# Altium PCB CFD_V1.03.PcbDoc (part 1 of 10) (continued)
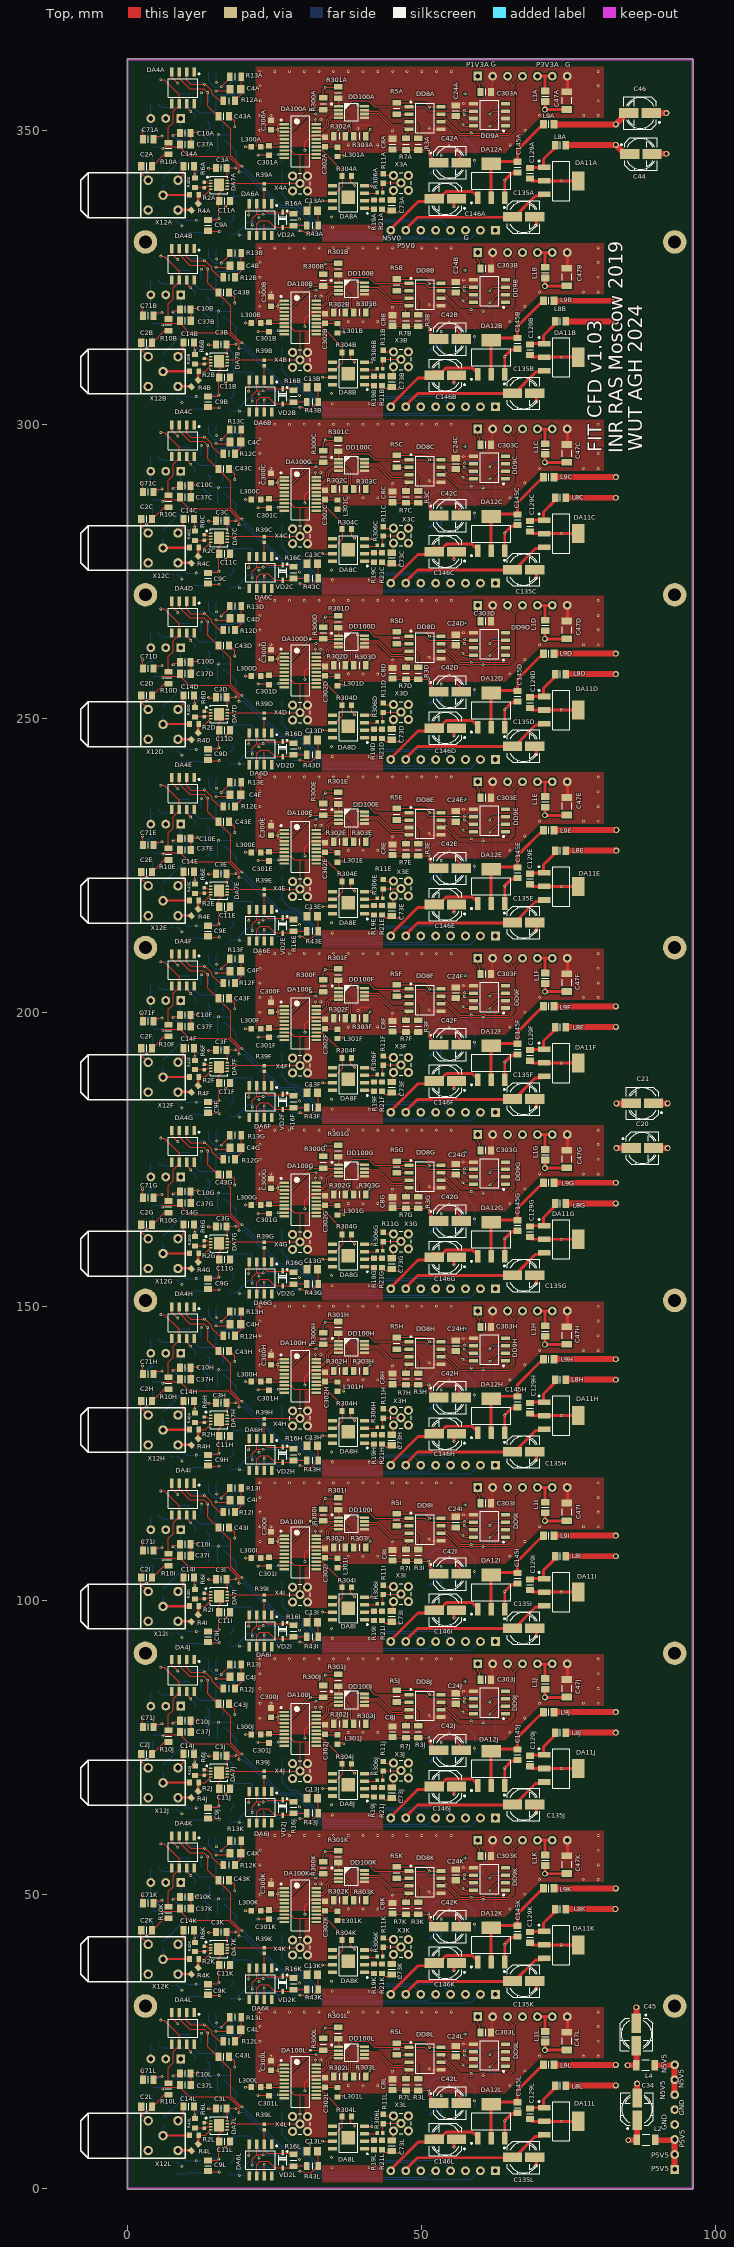
[diagram p0: Top view]
## Design rules (kind name [scope] priority, off if disabled: settings) (continued)
SolderMaskExpansion [All] p1: expansion=0.05 istentingtop=FALSE
SupplyNets "Schematic Supply Nets_4" [InNet('N5V5_PM12')] p1: voltage=0.000
SupplyNets "Schematic Supply Nets_3" [InNet('GND')] p2: voltage=0.000
SupplyNets "Schematic Supply Nets_2" [InNet('N5V5')] p3: voltage=0.000
SupplyNets "Schematic Supply Nets_1" [InNet('P5V5_PM12')] p4: voltage=0.000
SupplyNets "Schematic Supply Nets" [InNet('P5V5')] p5: voltage=0.000
Width [All] p1: maxlimit=12.7 minlimit=0.025 preferedwidth=0.254 minimp=50.000000 maximp=50.000000 favimp=50.000000
25 further rules are at their usual default settings.

## Classes and differential pairs
channel class CFD_Timing: CFD_T1 CFD_T2 CFD_T3 CFD_T4 CFD_T5 CFD_T6 CFD_T7 CFD_T8 CFD_T9 CFD_T10 CFD_T11 CFD_T12
component class CFD_T12: C8L C16L C17L C24L C26L C30L C38L C47L C73L C300L C301L C302L C303L C400L C401L C402L C403L DA8L DA100L DD8L DD9L DD100L L1L L300L L301L R3L R5L R7L R11L R18L R19L R21L R44L R300L R301L R302L R303L R304L R306L R400L R401L R403L X3L X4L X13L
component class CFD_T11: C8K C16K C17K C24K C26K C30K C38K C47K C73K C300K C301K C302K C303K C400K C401K C402K C403K DA8K DA100K DD8K DD9K DD100K L1K L300K L301K R3K R5K R7K R11K R18K R19K R21K R44K R300K R301K R302K R303K R304K R306K R400K R401K R403K X3K X4K X13K
component class CFD_T10: C8J C16J C17J C24J C26J C30J C38J C47J C73J C300J C301J C302J C303J C400J C401J C402J C403J DA8J DA100J DD8J DD9J DD100J L1J L300J L301J R3J R5J R7J R11J R18J R19J R21J R44J R300J R301J R302J R303J R304J R306J R400J R401J R403J X3J X4J X13J
component class CFD_T9: C8I C16I C17I C24I C26I C30I C38I C47I C73I C300I C301I C302I C303I C400I C401I C402I C403I DA8I DA100I DD8I DD9I DD100I L1I L300I L301I R3I R5I R7I R11I R18I R19I R21I R44I R300I R301I R302I R303I R304I R306I R400I R401I R403I X3I X4I X13I
component class CFD_T8: C8H C16H C17H C24H C26H C30H C38H C47H C73H C300H C301H C302H C303H C400H C401H C402H C403H DA8H DA100H DD8H DD9H DD100H L1H L300H L301H R3H R5H R7H R11H R18H R19H R21H R44H R300H R301H R302H R303H R304H R306H R400H R401H R403H X3H X4H X13H
component class CFD_T7: C8G C16G C17G C24G C26G C30G C38G C47G C73G C300G C301G C302G C303G C400G C401G C402G C403G DA8G DA100G DD8G DD9G DD100G L1G L300G L301G R3G R5G R7G R11G R18G R19G R21G R44G R300G R301G R302G R303G R304G R306G R400G R401G R403G X3G X4G X13G
component class CFD_T6: C8F C16F C17F C24F C26F C30F C38F C47F C73F C300F C301F C302F C303F C400F C401F C402F C403F DA8F DA100F DD8F DD9F DD100F L1F L300F L301F R3F R5F R7F R11F R18F R19F R21F R44F R300F R301F R302F R303F R304F R306F R400F R401F R403F X3F X4F X13F
component class CFD_T5: C8E C16E C17E C24E C26E C30E C38E C47E C73E C300E C301E C302E C303E C400E C401E C402E C403E DA8E DA100E DD8E DD9E DD100E L1E L300E L301E R3E R5E R7E R11E R18E R19E R21E R44E R300E R301E R302E R303E R304E R306E R400E R401E R403E X3E X4E X13E
component class CFD_T4: C8D C16D C17D C24D C26D C30D C38D C47D C73D C300D C301D C302D C303D C400D C401D C402D C403D DA8D DA100D DD8D DD9D DD100D L1D L300D L301D R3D R5D R7D R11D R18D R19D R21D R44D R300D R301D R302D R303D R304D R306D R400D R401D R403D X3D X4D X13D
component class CFD_T3: C8C C16C C17C C24C C26C C30C C38C C47C C73C C300C C301C C302C C303C C400C C401C C402C C403C DA8C DA100C DD8C DD9C DD100C L1C L300C L301C R3C R5C R7C R11C R18C R19C R21C R44C R300C R301C R302C R303C R304C R306C R400C R401C R403C X3C X4C X13C
component class CFD_T2: C8B C16B C17B C24B C26B C30B C38B C47B C73B C300B C301B C302B C303B C400B C401B C402B C403B DA8B DA100B DD8B DD9B DD100B L1B L300B L301B R3B R5B R7B R11B R18B R19B R21B R44B R300B R301B R302B R303B R304B R306B R400B R401B R403B X3B X4B X13B
component class CFD_T1: C8A C16A C17A C24A C26A C30A C38A C47A C73A C300A C301A C302A C303A C400A C401A C402A C403A DA8A DA100A DD8A DD9A DD100A L1A L300A L301A R3A R5A R7A R11A R18A R19A R21A R44A R300A R301A R302A R303A R304A R306A R400A R401A R403A X3A X4A X13A
channel class IN_BUF: IN_BUFFER1 IN_BUFFER2 IN_BUFFER3 IN_BUFFER4 IN_BUFFER5 IN_BUFFER6 IN_BUFFER7 IN_BUFFER8 IN_BUFFER9 IN_BUFFER10 IN_BUFFER11 IN_BUFFER12
channel class DIFF_DRV: DIFF_DRV1 DIFF_DRV2 DIFF_DRV3 DIFF_DRV4 DIFF_DRV5 DIFF_DRV6 DIFF_DRV7 DIFF_DRV8 DIFF_DRV9 DIFF_DRV10 DIFF_DRV11 DIFF_DRV12
component class IN_BUFFER12: C3L C11L C12L C13L C14L C15L DA6L DA7L DA20L R2L R4L R6L R14L R16L R39L R40L R41L R42L R43L VD2L X12L
component class IN_BUFFER11: C3K C11K C12K C13K C14K C15K DA6K DA7K DA20K R2K R4K R6K R14K R16K R39K R40K R41K R42K R43K VD2K X12K
component class IN_BUFFER10: C3J C11J C12J C13J C14J C15J DA6J DA7J DA20J R2J R4J R6J R14J R16J R39J R40J R41J R42J R43J VD2J X12J
component class IN_BUFFER9: C3I C11I C12I C13I C14I C15I DA6I DA7I DA20I R2I R4I R6I R14I R16I R39I R40I R41I R42I R43I VD2I X12I
component class IN_BUFFER8: C3H C11H C12H C13H C14H C15H DA6H DA7H DA20H R2H R4H R6H R14H R16H R39H R40H R41H R42H R43H VD2H X12H
component class IN_BUFFER7: C3G C11G C12G C13G C14G C15G DA6G DA7G DA20G R2G R4G R6G R14G R16G R39G R40G R41G R42G R43G VD2G X12G
component class IN_BUFFER6: C3F C11F C12F C13F C14F C15F DA6F DA7F DA20F R2F R4F R6F R14F R16F R39F R40F R41F R42F R43F VD2F X12F
component class IN_BUFFER5: C3E C11E C12E C13E C14E C15E DA6E DA7E DA20E R2E R4E R6E R14E R16E R39E R40E R41E R42E R43E VD2E X12E
component class IN_BUFFER4: C3D C11D C12D C13D C14D C15D DA6D DA7D DA20D R2D R4D R6D R14D R16D R39D R40D R41D R42D R43D VD2D X12D
component class IN_BUFFER3: C3C C11C C12C C13C C14C C15C DA6C DA7C DA20C R2C R4C R6C R14C R16C R39C R40C R41C R42C R43C VD2C X12C
component class IN_BUFFER2: C3B C11B C12B C13B C14B C15B DA6B DA7B DA20B R2B R4B R6B R14B R16B R39B R40B R41B R42B R43B VD2B X12B
component class IN_BUFFER1: C3A C11A C12A C13A C14A C15A DA6A DA7A DA20A R2A R4A R6A R14A R16A R39A R40A R41A R42A R43A VD2A X12A
component class DIFF_DRV12: C2L C4L C5L C10L C37L C43L C71L DA2L DA4L DA5L R8L R9L R10L R12L R13L R15L R17L R45L R48L R50L VD1L X1L X5L
component class DIFF_DRV11: C2K C4K C5K C10K C37K C43K C71K DA2K DA4K DA5K R8K R9K R10K R12K R13K R15K R17K R45K R48K R50K VD1K X1K X5K
component class DIFF_DRV10: C2J C4J C5J C10J C37J C43J C71J DA2J DA4J DA5J R8J R9J R10J R12J R13J R15J R17J R45J R48J R50J VD1J X1J X5J
component class DIFF_DRV9: C2I C4I C5I C10I C37I C43I C71I DA2I DA4I DA5I R8I R9I R10I R12I R13I R15I R17I R45I R48I R50I VD1I X1I X5I
component class DIFF_DRV8: C2H C4H C5H C10H C37H C43H C71H DA2H DA4H DA5H R8H R9H R10H R12H R13H R15H R17H R45H R48H R50H VD1H X1H X5H
component class DIFF_DRV7: C2G C4G C5G C10G C37G C43G C71G DA2G DA4G DA5G R8G R9G R10G R12G R13G R15G R17G R45G R48G R50G VD1G X1G X5G
component class DIFF_DRV6: C2F C4F C5F C10F C37F C43F C71F DA2F DA4F DA5F R8F R9F R10F R12F R13F R15F R17F R45F R48F R50F VD1F X1F X5F
component class DIFF_DRV5: C2E C4E C5E C10E C37E C43E C71E DA2E DA4E DA5E R8E R9E R10E R12E R13E R15E R17E R45E R48E R50E VD1E X1E X5E
component class DIFF_DRV4: C2D C4D C5D C10D C37D C43D C71D DA2D DA4D DA5D R8D R9D R10D R12D R13D R15D R17D R45D R48D R50D VD1D X1D X5D
component class DIFF_DRV3: C2C C4C C5C C10C C37C C43C C71C DA2C DA4C DA5C R8C R9C R10C R12C R13C R15C R17C R45C R48C R50C VD1C X1C X5C
component class DIFF_DRV2: C2B C4B C5B C10B C37B C43B C71B DA2B DA4B DA5B R8B R9B R10B R12B R13B R15B R17B R45B R48B R50B VD1B X1B X5B
component class DIFF_DRV1: C2A C4A C5A C10A C37A C43A C71A DA2A DA4A DA5A R8A R9A R10A R12A R13A R15A R17A R45A R48A R50A VD1A X1A X5A
channel class Power: PWR1 PWR2 PWR3 PWR4 PWR5 PWR6 PWR7 PWR8 PWR9 PWR10 PWR11 PWR12
component class CFD_V1.03_Main: C20 C21 C34 C44 C45 C46 L2 L4 X2
component class PWR12: C1L C6L C7L C9L C22L C29L C41L C42L C129L C135L C145L C146L DA1L DA3L DA11L DA12L DA13L L8L L9L R1L R25L R28L R29L
component class PWR11: C1K C6K C7K C9K C22K C29K C41K C42K C129K C135K C145K C146K DA1K DA3K DA11K DA12K DA13K L8K L9K R1K R25K R28K R29K
component class PWR10: C1J C6J C7J C9J C22J C29J C41J C42J C129J C135J C145J C146J DA1J DA3J DA11J DA12J DA13J L8J L9J R1J R25J R28J R29J
component class PWR9: C1I C6I C7I C9I C22I C29I C41I C42I C129I C135I C145I C146I DA1I DA3I DA11I DA12I DA13I L8I L9I R1I R25I R28I R29I
component class PWR8: C1H C6H C7H C9H C22H C29H C41H C42H C129H C135H C145H C146H DA1H DA3H DA11H DA12H DA13H L8H L9H R1H R25H R28H R29H
component class PWR7: C1G C6G C7G C9G C22G C29G C41G C42G C129G C135G C145G C146G DA1G DA3G DA11G DA12G DA13G L8G L9G R1G R25G R28G R29G
component class PWR6: C1F C6F C7F C9F C22F C29F C41F C42F C129F C135F C145F C146F DA1F DA3F DA11F DA12F DA13F L8F L9F R1F R25F R28F R29F
component class PWR5: C1E C6E C7E C9E C22E C29E C41E C42E C129E C135E C145E C146E DA1E DA3E DA11E DA12E DA13E L8E L9E R1E R25E R28E R29E
component class PWR4: C1D C6D C7D C9D C22D C29D C41D C42D C129D C135D C145D C146D DA1D DA3D DA11D DA12D DA13D L8D L9D R1D R25D R28D R29D
component class PWR3: C1C C6C C7C C9C C22C C29C C41C C42C C129C C135C C145C C146C DA1C DA3C DA11C DA12C DA13C L8C L9C R1C R25C R28C R29C
component class PWR2: C1B C6B C7B C9B C22B C29B C41B C42B C129B C135B C145B C146B DA1B DA3B DA11B DA12B DA13B L8B L9B R1B R25B R28B R29B
component class PWR1: C1A C6A C7A C9A C22A C29A C41A C42A C129A C135A C145A C146A DA1A DA3A DA11A DA12A DA13A L8A L9A R1A R25A R28A R29A
differential pair CFD_OUTL: +CFD_OUTL_P -CFD_OUTL_N
differential pair CFD_OUTK: +CFD_OUTK_P -CFD_OUTK_N
differential pair CFD_OUTJ: +CFD_OUTJ_P -CFD_OUTJ_N
differential pair CFD_OUTI: +CFD_OUTI_P -CFD_OUTI_N
differential pair CFD_OUTH: +CFD_OUTH_P -CFD_OUTH_N
differential pair CFD_OUTG: +CFD_OUTG_P -CFD_OUTG_N
differential pair CFD_OUTF: +CFD_OUTF_P -CFD_OUTF_N
differential pair CFD_OUTE: +CFD_OUTE_P -CFD_OUTE_N
differential pair CFD_OUTD: +CFD_OUTD_P -CFD_OUTD_N
differential pair CFD_OUTC: +CFD_OUTC_P -CFD_OUTC_N
differential pair CFD_OUTB: +CFD_OUTB_P -CFD_OUTB_N
differential pair CFD_OUTA: +CFD_OUTA_P -CFD_OUTA_N
differential pair CFD_RISINGL: +CFD_RISINGL_P -CFD_RISINGL_N
differential pair CFD_RISINGK: +CFD_RISINGK_P -CFD_RISINGK_N
differential pair CFD_RISINGJ: +CFD_RISINGJ_P -CFD_RISINGJ_N
differential pair CFD_RISINGI: +CFD_RISINGI_P -CFD_RISINGI_N
differential pair CFD_RISINGH: +CFD_RISINGH_P -CFD_RISINGH_N
differential pair CFD_RISINGG: +CFD_RISINGG_P -CFD_RISINGG_N
differential pair CFD_RISINGF: +CFD_RISINGF_P -CFD_RISINGF_N
differential pair CFD_RISINGE: +CFD_RISINGE_P -CFD_RISINGE_N
differential pair CFD_RISINGD: +CFD_RISINGD_P -CFD_RISINGD_N
differential pair CFD_RISINGC: +CFD_RISINGC_P -CFD_RISINGC_N
differential pair CFD_RISINGB: +CFD_RISINGB_P -CFD_RISINGB_N
differential pair CFD_RISINGA: +CFD_RISINGA_P -CFD_RISINGA_N
differential pair CFD_DELL: +CFD_DELL_P -CFD_DELL_N
differential pair CFD_DELK: +CFD_DELK_P -CFD_DELK_N
differential pair CFD_DELJ: +CFD_DELJ_P -CFD_DELJ_N
differential pair CFD_DELI: +CFD_DELI_P -CFD_DELI_N
differential pair CFD_DELH: +CFD_DELH_P -CFD_DELH_N
differential pair CFD_DELG: +CFD_DELG_P -CFD_DELG_N
differential pair CFD_DELF: +CFD_DELF_P -CFD_DELF_N
differential pair CFD_DELE: +CFD_DELE_P -CFD_DELE_N
differential pair CFD_DELD: +CFD_DELD_P -CFD_DELD_N
differential pair CFD_DELC: +CFD_DELC_P -CFD_DELC_N
differential pair CFD_DELB: +CFD_DELB_P -CFD_DELB_N
differential pair CFD_DELA: +CFD_DELA_P -CFD_DELA_N
differential pair DD100_QL: +DD100_QL_P -DD100_QL_N
differential pair DD100_QK: +DD100_QK_P -DD100_QK_N
differential pair DD100_QJ: +DD100_QJ_P -DD100_QJ_N
differential pair DD100_QI: +DD100_QI_P -DD100_QI_N
differential pair DD100_QH: +DD100_QH_P -DD100_QH_N
differential pair DD100_QG: +DD100_QG_P -DD100_QG_N
differential pair DD100_QF: +DD100_QF_P -DD100_QF_N
differential pair DD100_QE: +DD100_QE_P -DD100_QE_N
differential pair DD100_QD: +DD100_QD_P -DD100_QD_N
differential pair DD100_QC: +DD100_QC_P -DD100_QC_N
differential pair DD100_QB: +DD100_QB_P -DD100_QB_N
differential pair DD100_QA: +DD100_QA_P -DD100_QA_N

## Components (designator, comment, footprint, x,y, rotation, side; value= is the part's Value field where it differs from the comment)
C1A "220nF" CAPC2012X135N 14.609,346.509 r180 bottom (schematic designator C1)
C1B "220nF" CAPC2012X135N 14.609,316.509 r180 bottom (schematic designator C1)
C1C "220nF" CAPC2012X135N 14.609,286.509 r180 bottom (schematic designator C1)
C1D "220nF" CAPC2012X135N 14.609,256.509 r180 bottom (schematic designator C1)
C1E "220nF" CAPC2012X135N 14.609,226.509 r180 bottom (schematic designator C1)
C1F "220nF" CAPC2012X135N 14.609,196.509 r180 bottom (schematic designator C1)
C1G "220nF" CAPC2012X135N 14.609,166.509 r180 bottom (schematic designator C1)
C1H "220nF" CAPC2012X135N 14.609,136.509 r180 bottom (schematic designator C1)
C1I "220nF" CAPC2012X135N 14.609,106.509 r180 bottom (schematic designator C1)
C1J "220nF" CAPC2012X135N 14.609,76.509 r180 bottom (schematic designator C1)
C1K "220nF" CAPC2012X135N 14.609,46.509 r180 bottom (schematic designator C1)
C1L "220nF" CAPC2012X135N 14.609,16.509 r180 bottom (schematic designator C1)
C2A "10nF" CAPC2012X135N 3.19,343.871 r0 top (schematic designator C2)
C2B "10nF" CAPC2012X135N 3.19,313.871 r0 top (schematic designator C2)
C2C "10nF" CAPC2012X135N 3.19,283.871 r0 top (schematic designator C2)
C2D "10nF" CAPC2012X135N 3.19,253.871 r0 top (schematic designator C2)
C2E "10nF" CAPC2012X135N 3.19,223.871 r0 top (schematic designator C2)
C2F "10nF" CAPC2012X135N 3.19,193.871 r0 top (schematic designator C2)
C2G "10nF" CAPC2012X135N 3.19,163.871 r0 top (schematic designator C2)
C2H "10nF" CAPC2012X135N 3.19,133.871 r0 top (schematic designator C2)
C2I "10nF" CAPC2012X135N 3.19,103.871 r0 top (schematic designator C2)
C2J "10nF" CAPC2012X135N 3.19,73.871 r0 top (schematic designator C2)
C2K "10nF" CAPC2012X135N 3.19,43.871 r0 top (schematic designator C2)
C2L "10nF" CAPC2012X135N 3.19,13.871 r0 top (schematic designator C2)
C3A "220nF" CAPC2012X135N 15.91,343.577 r0 top (schematic designator C3)
C3B "220nF" CAPC2012X135N 15.91,313.577 r0 top (schematic designator C3)
C3C "220nF" CAPC2012X135N 15.91,283.577 r0 top (schematic designator C3)
C3D "220nF" CAPC2012X135N 15.91,253.577 r0 top (schematic designator C3)
C3E "220nF" CAPC2012X135N 15.91,223.577 r0 top (schematic designator C3)
C3F "220nF" CAPC2012X135N 15.91,193.577 r0 top (schematic designator C3)
C3G "220nF" CAPC2012X135N 15.91,163.577 r0 top (schematic designator C3)
C3H "220nF" CAPC2012X135N 15.91,133.577 r0 top (schematic designator C3)
C3I "220nF" CAPC2012X135N 15.91,103.577 r0 top (schematic designator C3)
C3J "220nF" CAPC2012X135N 15.91,73.577 r0 top (schematic designator C3)
C3K "220nF" CAPC2012X135N 15.91,43.577 r0 top (schematic designator C3)
C3L "220nF" CAPC2012X135N 15.91,13.577 r0 top (schematic designator C3)
C4A "33pF" CAPC2013X115N 18.306,356.983 r0 top (schematic designator C4)
C4B "33pF" CAPC2013X115N 18.306,326.983 r0 top (schematic designator C4)
C4C "33pF" CAPC2013X115N 18.306,296.983 r0 top (schematic designator C4)
C4D "33pF" CAPC2013X115N 18.306,266.983 r0 top (schematic designator C4)
C4E "33pF" CAPC2013X115N 18.306,236.983 r0 top (schematic designator C4)
C4F "33pF" CAPC2013X115N 18.306,206.983 r0 top (schematic designator C4)
C4G "33pF" CAPC2013X115N 18.306,176.983 r0 top (schematic designator C4)
C4H "33pF" CAPC2013X115N 18.306,146.983 r0 top (schematic designator C4)
C4I "33pF" CAPC2013X115N 18.306,116.983 r0 top (schematic designator C4)
C4J "33pF" CAPC2013X115N 18.306,86.983 r0 top (schematic designator C4)
C4K "33pF" CAPC2013X115N 18.306,56.983 r0 top (schematic designator C4)
C4L "33pF" CAPC2013X115N 18.306,26.983 r0 top (schematic designator C4)
C5A "1nF" CAPC2013X100N 10.495,357.202 r90 bottom (schematic designator C5)
C5B "1nF" CAPC2013X100N 10.495,327.202 r90 bottom (schematic designator C5)
C5C "1nF" CAPC2013X100N 10.495,297.202 r90 bottom (schematic designator C5)
C5D "1nF" CAPC2013X100N 10.495,267.202 r90 bottom (schematic designator C5)
C5E "1nF" CAPC2013X100N 10.495,237.202 r90 bottom (schematic designator C5)
C5F "1nF" CAPC2013X100N 10.495,207.202 r90 bottom (schematic designator C5)
C5G "1nF" CAPC2013X100N 10.495,177.202 r90 bottom (schematic designator C5)
C5H "1nF" CAPC2013X100N 10.495,147.202 r90 bottom (schematic designator C5)
C5I "1nF" CAPC2013X100N 10.495,117.202 r90 bottom (schematic designator C5)
C5J "1nF" CAPC2013X100N 10.495,87.202 r90 bottom (schematic designator C5)
C5K "1nF" CAPC2013X100N 10.495,57.202 r90 bottom (schematic designator C5)
C5L "1nF" CAPC2013X100N 10.495,27.202 r90 bottom (schematic designator C5)
C6A "10nF" CAPC2012X135N 17.206,352.168 r180 bottom (schematic designator C6)
C6B "10nF" CAPC2012X135N 17.206,322.168 r180 bottom (schematic designator C6)
C6C "10nF" CAPC2012X135N 17.206,292.168 r180 bottom (schematic designator C6)
C6D "10nF" CAPC2012X135N 17.206,262.168 r180 bottom (schematic designator C6)
C6E "10nF" CAPC2012X135N 17.206,232.168 r180 bottom (schematic designator C6)
C6F "10nF" CAPC2012X135N 17.206,202.168 r180 bottom (schematic designator C6)
C6G "10nF" CAPC2012X135N 17.206,172.168 r180 bottom (schematic designator C6)
C6H "10nF" CAPC2012X135N 17.206,142.168 r180 bottom (schematic designator C6)
C6I "10nF" CAPC2012X135N 17.206,112.168 r180 bottom (schematic designator C6)
C6J "10nF" CAPC2012X135N 17.206,82.168 r180 bottom (schematic designator C6)
C6K "10nF" CAPC2012X135N 17.206,52.168 r180 bottom (schematic designator C6)
C6L "10nF" CAPC2012X135N 17.206,22.168 r180 bottom (schematic designator C6)
C7A "4.7uF" CAPC2012X135N 17.792,348.295 r270 bottom (schematic designator C7)
C7B "4.7uF" CAPC2012X135N 17.792,318.295 r270 bottom (schematic designator C7)
C7C "4.7uF" CAPC2012X135N 17.792,288.295 r270 bottom (schematic designator C7)
C7D "4.7uF" CAPC2012X135N 17.792,258.295 r270 bottom (schematic designator C7)
C7E "4.7uF" CAPC2012X135N 17.792,228.295 r270 bottom (schematic designator C7)
C7F "4.7uF" CAPC2012X135N 17.792,198.295 r270 bottom (schematic designator C7)
C7G "4.7uF" CAPC2012X135N 17.792,168.295 r270 bottom (schematic designator C7)
C7H "4.7uF" CAPC2012X135N 17.792,138.295 r270 bottom (schematic designator C7)
C7I "4.7uF" CAPC2012X135N 17.792,108.295 r270 bottom (schematic designator C7)
C7J "4.7uF" CAPC2012X135N 17.792,78.295 r270 bottom (schematic designator C7)
C7K "4.7uF" CAPC2012X135N 17.792,48.295 r270 bottom (schematic designator C7)
C7L "4.7uF" CAPC2012X135N 17.792,18.295 r270 bottom (schematic designator C7)
C8A "220nF" CAPC2012X135N 44.997,347.643 r270 top (schematic designator C8)
C8B "220nF" CAPC2012X135N 44.997,317.643 r270 top (schematic designator C8)
C8C "220nF" CAPC2012X135N 44.997,287.643 r270 top (schematic designator C8)
C8D "220nF" CAPC2012X135N 44.997,257.643 r270 top (schematic designator C8)
C8E "220nF" CAPC2012X135N 44.997,227.643 r270 top (schematic designator C8)
C8F "220nF" CAPC2012X135N 44.997,197.643 r270 top (schematic designator C8)
C8G "220nF" CAPC2012X135N 44.997,167.643 r270 top (schematic designator C8)
C8H "220nF" CAPC2012X135N 44.997,137.643 r270 top (schematic designator C8)
C8I "220nF" CAPC2012X135N 44.997,107.643 r270 top (schematic designator C8)
C8J "220nF" CAPC2012X135N 44.997,77.643 r270 top (schematic designator C8)
C8K "220nF" CAPC2012X135N 44.997,47.643 r270 top (schematic designator C8)
C8L "220nF" CAPC2012X135N 44.997,17.643 r270 top (schematic designator C8)
C9A "4.7uF" CAPC2012X135N 13.65,333.82 r90 top (schematic designator C9)
C9B "4.7uF" CAPC2012X135N 13.65,303.82 r90 top (schematic designator C9)
C9C "4.7uF" CAPC2012X135N 13.65,273.82 r90 top (schematic designator C9)
C9D "4.7uF" CAPC2012X135N 13.65,243.82 r90 top (schematic designator C9)
C9E "4.7uF" CAPC2012X135N 13.65,213.82 r90 top (schematic designator C9)
C9F "4.7uF" CAPC2012X135N 13.65,183.82 r90 top (schematic designator C9)
C9G "4.7uF" CAPC2012X135N 13.65,153.82 r90 top (schematic designator C9)
C9H "4.7uF" CAPC2012X135N 13.65,123.82 r90 top (schematic designator C9)
C9I "4.7uF" CAPC2012X135N 13.65,93.82 r90 top (schematic designator C9)
C9J "4.7uF" CAPC2012X135N 13.65,63.82 r90 top (schematic designator C9)
C9K "4.7uF" CAPC2012X135N 13.65,33.82 r90 top (schematic designator C9)
C9L "4.7uF" CAPC2012X135N 13.65,3.82 r90 top (schematic designator C9)
C10A "220nF" CAPC2012X135N 9.762,349.536 r180 top (schematic designator C10)
C10B "220nF" CAPC2012X135N 9.762,319.536 r180 top (schematic designator C10)
C10C "220nF" CAPC2012X135N 9.762,289.536 r180 top (schematic designator C10)
C10D "220nF" CAPC2012X135N 9.762,259.536 r180 top (schematic designator C10)
C10E "220nF" CAPC2012X135N 9.762,229.536 r180 top (schematic designator C10)
C10F "220nF" CAPC2012X135N 9.762,199.536 r180 top (schematic designator C10)
C10G "220nF" CAPC2012X135N 9.762,169.536 r180 top (schematic designator C10)
C10H "220nF" CAPC2012X135N 9.762,139.536 r180 top (schematic designator C10)
C10I "220nF" CAPC2012X135N 9.762,109.536 r180 top (schematic designator C10)
C10J "220nF" CAPC2012X135N 9.762,79.536 r180 top (schematic designator C10)
C10K "220nF" CAPC2012X135N 9.762,49.536 r180 top (schematic designator C10)
C10L "220nF" CAPC2012X135N 9.762,19.536 r180 top (schematic designator C10)
C11A "220nF" CAPC2012X135N 16.465,337.962 r180 top (schematic designator C11)
C11B "220nF" CAPC2012X135N 16.465,307.962 r180 top (schematic designator C11)
C11C "220nF" CAPC2012X135N 16.465,277.962 r180 top (schematic designator C11)
C11D "220nF" CAPC2012X135N 16.465,247.962 r180 top (schematic designator C11)
C11E "220nF" CAPC2012X135N 16.465,217.962 r180 top (schematic designator C11)
C11F "220nF" CAPC2012X135N 16.465,187.962 r180 top (schematic designator C11)
C11G "220nF" CAPC2012X135N 16.465,157.962 r180 top (schematic designator C11)
C11H "220nF" CAPC2012X135N 16.465,127.962 r180 top (schematic designator C11)
C11I "220nF" CAPC2012X135N 16.465,97.962 r180 top (schematic designator C11)
C11J "220nF" CAPC2012X135N 16.465,67.962 r180 top (schematic designator C11)
C11K "220nF" CAPC2012X135N 16.465,37.962 r180 top (schematic designator C11)
C11L "220nF" CAPC2012X135N 16.465,7.962 r180 top (schematic designator C11)
C12A "220nF" CAPC2012X135N 27.02,335.613 r180 bottom (schematic designator C12)
C12B "220nF" CAPC2012X135N 27.02,305.613 r180 bottom (schematic designator C12)
C12C "220nF" CAPC2012X135N 27.02,275.613 r180 bottom (schematic designator C12)
C12D "220nF" CAPC2012X135N 27.02,245.613 r180 bottom (schematic designator C12)
C12E "220nF" CAPC2012X135N 27.02,215.613 r180 bottom (schematic designator C12)
C12F "220nF" CAPC2012X135N 27.02,185.613 r180 bottom (schematic designator C12)
C12G "220nF" CAPC2012X135N 27.02,155.613 r180 bottom (schematic designator C12)
C12H "220nF" CAPC2012X135N 27.02,125.613 r180 bottom (schematic designator C12)
C12I "220nF" CAPC2012X135N 27.02,95.613 r180 bottom (schematic designator C12)
C12J "220nF" CAPC2012X135N 27.02,65.613 r180 bottom (schematic designator C12)
C12K "220nF" CAPC2012X135N 27.02,35.613 r180 bottom (schematic designator C12)
C12L "220nF" CAPC2012X135N 27.02,5.613 r180 bottom (schematic designator C12)
C13A "33pF" CAPC2013X115N 31.392,336.304 r0 top (schematic designator C13)
C13B "33pF" CAPC2013X115N 31.392,306.304 r0 top (schematic designator C13)
C13C "33pF" CAPC2013X115N 31.392,276.304 r0 top (schematic designator C13)
C13D "33pF" CAPC2013X115N 31.392,246.304 r0 top (schematic designator C13)
C13E "33pF" CAPC2013X115N 31.392,216.304 r0 top (schematic designator C13)
C13F "33pF" CAPC2013X115N 31.392,186.304 r0 top (schematic designator C13)
C13G "33pF" CAPC2013X115N 31.392,156.304 r0 top (schematic designator C13)
C13H "33pF" CAPC2013X115N 31.392,126.304 r0 top (schematic designator C13)
C13I "33pF" CAPC2013X115N 31.392,96.304 r0 top (schematic designator C13)
C13J "33pF" CAPC2013X115N 31.392,66.304 r0 top (schematic designator C13)
C13K "33pF" CAPC2013X115N 31.392,36.304 r0 top (schematic designator C13)
C13L "33pF" CAPC2013X115N 31.392,6.304 r0 top (schematic designator C13)
C14A "10nF" CAPC2012X135N 10.364,343.893 r0 top (schematic designator C14)
C14B "10nF" CAPC2012X135N 10.364,313.893 r0 top (schematic designator C14)
C14C "10nF" CAPC2012X135N 10.364,283.893 r0 top (schematic designator C14)
C14D "10nF" CAPC2012X135N 10.364,253.893 r0 top (schematic designator C14)
C14E "10nF" CAPC2012X135N 10.364,223.893 r0 top (schematic designator C14)
C14F "10nF" CAPC2012X135N 10.364,193.893 r0 top (schematic designator C14)
C14G "10nF" CAPC2012X135N 10.364,163.893 r0 top (schematic designator C14)
C14H "10nF" CAPC2012X135N 10.364,133.893 r0 top (schematic designator C14)
C14I "10nF" CAPC2012X135N 10.364,103.893 r0 top (schematic designator C14)
C14J "10nF" CAPC2012X135N 10.364,73.893 r0 top (schematic designator C14)
C14K "10nF" CAPC2012X135N 10.364,43.893 r0 top (schematic designator C14)
C14L "10nF" CAPC2012X135N 10.364,13.893 r0 top (schematic designator C14)
C15A "4.7nF" CAPC2012X135N 17.43,333.279 r90 bottom (schematic designator C15)
C15B "4.7nF" CAPC2012X135N 17.43,303.279 r90 bottom (schematic designator C15)
C15C "4.7nF" CAPC2012X135N 17.43,273.279 r90 bottom (schematic designator C15)
C15D "4.7nF" CAPC2012X135N 17.43,243.279 r90 bottom (schematic designator C15)
C15E "4.7nF" CAPC2012X135N 17.43,213.279 r90 bottom (schematic designator C15)
C15F "4.7nF" CAPC2012X135N 17.43,183.279 r90 bottom (schematic designator C15)
C15G "4.7nF" CAPC2012X135N 17.43,153.279 r90 bottom (schematic designator C15)
C15H "4.7nF" CAPC2012X135N 17.43,123.279 r90 bottom (schematic designator C15)
C15I "4.7nF" CAPC2012X135N 17.43,93.279 r90 bottom (schematic designator C15)
C15J "4.7nF" CAPC2012X135N 17.43,63.279 r90 bottom (schematic designator C15)
C15K "4.7nF" CAPC2012X135N 17.43,33.279 r90 bottom (schematic designator C15)
C15L "4.7nF" CAPC2012X135N 17.43,3.279 r90 bottom (schematic designator C15)
C16A "33pF" CAPC2012X135N 61.513,351.574 r0 bottom (schematic designator C16)
C16B "33pF" CAPC2012X135N 61.513,321.574 r0 bottom (schematic designator C16)
C16C "33pF" CAPC2012X135N 61.513,291.574 r0 bottom (schematic designator C16)
C16D "33pF" CAPC2012X135N 61.513,261.574 r0 bottom (schematic designator C16)
C16E "33pF" CAPC2012X135N 61.513,231.574 r0 bottom (schematic designator C16)
C16F "33pF" CAPC2012X135N 61.513,201.574 r0 bottom (schematic designator C16)
C16G "33pF" CAPC2012X135N 61.513,171.574 r0 bottom (schematic designator C16)
C16H "33pF" CAPC2012X135N 61.513,141.574 r0 bottom (schematic designator C16)
C16I "33pF" CAPC2012X135N 61.513,111.574 r0 bottom (schematic designator C16)
C16J "33pF" CAPC2012X135N 61.513,81.574 r0 bottom (schematic designator C16)
C16K "33pF" CAPC2012X135N 61.513,51.574 r0 bottom (schematic designator C16)
C16L "33pF" CAPC2012X135N 61.513,21.574 r0 bottom (schematic designator C16)
C17A "33pF" CAPC2012X135N 61.506,353.685 r0 bottom (schematic designator C17)
C17B "33pF" CAPC2012X135N 61.506,323.685 r0 bottom (schematic designator C17)
C17C "33pF" CAPC2012X135N 61.506,293.685 r0 bottom (schematic designator C17)
C17D "33pF" CAPC2012X135N 61.506,263.685 r0 bottom (schematic designator C17)
C17E "33pF" CAPC2012X135N 61.506,233.685 r0 bottom (schematic designator C17)
C17F "33pF" CAPC2012X135N 61.506,203.685 r0 bottom (schematic designator C17)
C17G "33pF" CAPC2012X135N 61.506,173.685 r0 bottom (schematic designator C17)
C17H "33pF" CAPC2012X135N 61.506,143.685 r0 bottom (schematic designator C17)
C17I "33pF" CAPC2012X135N 61.506,113.685 r0 bottom (schematic designator C17)
C17J "33pF" CAPC2012X135N 61.506,83.685 r0 bottom (schematic designator C17)
C17K "33pF" CAPC2012X135N 61.506,53.685 r0 bottom (schematic designator C17)
C17L "33pF" CAPC2012X135N 61.506,23.685 r0 bottom (schematic designator C17)
C20 "47uF" CAPAE530X610N 87.503,176.911 r0 top
C21 "47uF" CAPAE530X610N 87.503,184.531 r180 top
C22A "15nF" CAPC2012X135N 58.985,344.9 r90 bottom (schematic designator C22)
C22B "15nF" CAPC2012X135N 58.985,314.9 r90 bottom (schematic designator C22)
C22C "15nF" CAPC2012X135N 58.985,284.9 r90 bottom (schematic designator C22)
C22D "15nF" CAPC2012X135N 58.985,254.9 r90 bottom (schematic designator C22)
C22E "15nF" CAPC2012X135N 58.985,224.9 r90 bottom (schematic designator C22)
C22F "15nF" CAPC2012X135N 58.985,194.9 r90 bottom (schematic designator C22)
C22G "15nF" CAPC2012X135N 58.985,164.9 r90 bottom (schematic designator C22)
C22H "15nF" CAPC2012X135N 58.985,134.9 r90 bottom (schematic designator C22)
C22I "15nF" CAPC2012X135N 58.985,104.9 r90 bottom (schematic designator C22)
C22J "15nF" CAPC2012X135N 58.985,74.9 r90 bottom (schematic designator C22)
C22K "15nF" CAPC2012X135N 58.985,44.9 r90 bottom (schematic designator C22)
C22L "15nF" CAPC2012X135N 58.985,14.9 r90 bottom (schematic designator C22)
C24A "220nF" CAPC2012X135N 55.789,353.304 r270 top (schematic designator C24)
C24B "220nF" CAPC2012X135N 55.789,323.304 r270 top (schematic designator C24)
C24C "220nF" CAPC2012X135N 55.789,293.304 r270 top (schematic designator C24)
C24D "220nF" CAPC2012X135N 55.789,263.304 r270 top (schematic designator C24)
C24E "220nF" CAPC2012X135N 55.789,233.304 r270 top (schematic designator C24)
C24F "220nF" CAPC2012X135N 55.789,203.304 r270 top (schematic designator C24)
C24G "220nF" CAPC2012X135N 55.789,173.304 r270 top (schematic designator C24)
C24H "220nF" CAPC2012X135N 55.789,143.304 r270 top (schematic designator C24)
C24I "220nF" CAPC2012X135N 55.789,113.304 r270 top (schematic designator C24)
C24J "220nF" CAPC2012X135N 55.789,83.304 r270 top (schematic designator C24)
C24K "220nF" CAPC2012X135N 55.789,53.304 r270 top (schematic designator C24)
C24L "220nF" CAPC2012X135N 55.789,23.304 r270 top (schematic designator C24)
C26A "220nF" CAPC2012X135N 49.758,352.308 r90 bottom (schematic designator C26)
C26B "220nF" CAPC2012X135N 49.758,322.308 r90 bottom (schematic designator C26)
C26C "220nF" CAPC2012X135N 49.758,292.308 r90 bottom (schematic designator C26)
C26D "220nF" CAPC2012X135N 49.758,262.308 r90 bottom (schematic designator C26)
C26E "220nF" CAPC2012X135N 49.758,232.308 r90 bottom (schematic designator C26)
C26F "220nF" CAPC2012X135N 49.758,202.308 r90 bottom (schematic designator C26)
C26G "220nF" CAPC2012X135N 49.758,172.308 r90 bottom (schematic designator C26)
C26H "220nF" CAPC2012X135N 49.758,142.308 r90 bottom (schematic designator C26)
C26I "220nF" CAPC2012X135N 49.758,112.308 r90 bottom (schematic designator C26)
C26J "220nF" CAPC2012X135N 49.758,82.308 r90 bottom (schematic designator C26)
C26K "220nF" CAPC2012X135N 49.758,52.308 r90 bottom (schematic designator C26)
C26L "220nF" CAPC2012X135N 49.758,22.308 r90 bottom (schematic designator C26)
C29A "220nF" CAPC2012X135N 54.303,341.576 r180 bottom (schematic designator C29)
C29B "220nF" CAPC2012X135N 54.303,311.576 r180 bottom (schematic designator C29)
C29C "220nF" CAPC2012X135N 54.303,281.576 r180 bottom (schematic designator C29)
C29D "220nF" CAPC2012X135N 54.303,251.576 r180 bottom (schematic designator C29)
C29E "220nF" CAPC2012X135N 54.303,221.576 r180 bottom (schematic designator C29)
C29F "220nF" CAPC2012X135N 54.303,191.576 r180 bottom (schematic designator C29)
C29G "220nF" CAPC2012X135N 54.303,161.576 r180 bottom (schematic designator C29)
C29H "220nF" CAPC2012X135N 54.303,131.576 r180 bottom (schematic designator C29)
C29I "220nF" CAPC2012X135N 54.303,101.576 r180 bottom (schematic designator C29)
C29J "220nF" CAPC2012X135N 54.303,71.576 r180 bottom (schematic designator C29)
C29K "220nF" CAPC2012X135N 54.303,41.576 r180 bottom (schematic designator C29)
C29L "220nF" CAPC2012X135N 54.303,11.576 r180 bottom (schematic designator C29)
C30A "220nF" CAPC2012X135N 34.592,337.06 r90 bottom (schematic designator C30)
C30B "220nF" CAPC2012X135N 34.592,307.06 r90 bottom (schematic designator C30)
C30C "220nF" CAPC2012X135N 34.592,277.06 r90 bottom (schematic designator C30)
C30D "220nF" CAPC2012X135N 34.592,247.06 r90 bottom (schematic designator C30)
C30E "220nF" CAPC2012X135N 34.592,217.06 r90 bottom (schematic designator C30)
C30F "220nF" CAPC2012X135N 34.592,187.06 r90 bottom (schematic designator C30)
C30G "220nF" CAPC2012X135N 34.592,157.06 r90 bottom (schematic designator C30)
C30H "220nF" CAPC2012X135N 34.592,127.06 r90 bottom (schematic designator C30)
C30I "220nF" CAPC2012X135N 34.592,97.06 r90 bottom (schematic designator C30)
C30J "220nF" CAPC2012X135N 34.592,67.06 r90 bottom (schematic designator C30)
C30K "220nF" CAPC2012X135N 34.592,37.06 r90 bottom (schematic designator C30)
C30L "220nF" CAPC2012X135N 34.592,7.06 r90 bottom (schematic designator C30)
C34 "47uF" CAPAE530X610N 86.614,13.462 r90 top
C37A "220nF" CAPC2012X135N 9.795,347.584 r180 top (schematic designator C37)
C37B "220nF" CAPC2012X135N 9.795,317.584 r180 top (schematic designator C37)
C37C "220nF" CAPC2012X135N 9.795,287.584 r180 top (schematic designator C37)
C37D "220nF" CAPC2012X135N 9.795,257.584 r180 top (schematic designator C37)
C37E "220nF" CAPC2012X135N 9.795,227.584 r180 top (schematic designator C37)
C37F "220nF" CAPC2012X135N 9.795,197.584 r180 top (schematic designator C37)
C37G "220nF" CAPC2012X135N 9.795,167.584 r180 top (schematic designator C37)
C37H "220nF" CAPC2012X135N 9.795,137.584 r180 top (schematic designator C37)
C37I "220nF" CAPC2012X135N 9.795,107.584 r180 top (schematic designator C37)
C37J "220nF" CAPC2012X135N 9.795,77.584 r180 top (schematic designator C37)
C37K "220nF" CAPC2012X135N 9.795,47.584 r180 top (schematic designator C37)
C37L "220nF" CAPC2012X135N 9.795,17.584 r180 top (schematic designator C37)
C38A "220nF" CAPC2012X135N 40.332,341.995 r0 bottom (schematic designator C38)
C38B "220nF" CAPC2012X135N 40.332,311.995 r0 bottom (schematic designator C38)
C38C "220nF" CAPC2012X135N 40.332,281.995 r0 bottom (schematic designator C38)
C38D "220nF" CAPC2012X135N 40.332,251.995 r0 bottom (schematic designator C38)
C38E "220nF" CAPC2012X135N 40.332,221.995 r0 bottom (schematic designator C38)
C38F "220nF" CAPC2012X135N 40.332,191.995 r0 bottom (schematic designator C38)
C38G "220nF" CAPC2012X135N 40.332,161.995 r0 bottom (schematic designator C38)
C38H "220nF" CAPC2012X135N 40.332,131.995 r0 bottom (schematic designator C38)
C38I "220nF" CAPC2012X135N 40.332,101.995 r0 bottom (schematic designator C38)
C38J "220nF" CAPC2012X135N 40.332,71.995 r0 bottom (schematic designator C38)
C38K "220nF" CAPC2012X135N 40.332,41.995 r0 bottom (schematic designator C38)
C38L "220nF" CAPC2012X135N 40.332,11.995 r0 bottom (schematic designator C38)
C41A "220nF" CAPC2012X135N 10.233,333.655 r270 bottom (schematic designator C41)
C41B "220nF" CAPC2012X135N 10.233,303.655 r270 bottom (schematic designator C41)
C41C "220nF" CAPC2012X135N 10.233,273.655 r270 bottom (schematic designator C41)
C41D "220nF" CAPC2012X135N 10.233,243.655 r270 bottom (schematic designator C41)
C41E "220nF" CAPC2012X135N 10.233,213.655 r270 bottom (schematic designator C41)
C41F "220nF" CAPC2012X135N 10.233,183.655 r270 bottom (schematic designator C41)
C41G "220nF" CAPC2012X135N 10.233,153.655 r270 bottom (schematic designator C41)
C41H "220nF" CAPC2012X135N 10.233,123.655 r270 bottom (schematic designator C41)
C41I "220nF" CAPC2012X135N 10.233,93.655 r270 bottom (schematic designator C41)
C41J "220nF" CAPC2012X135N 10.233,63.655 r270 bottom (schematic designator C41)
C41K "220nF" CAPC2012X135N 10.233,33.655 r270 bottom (schematic designator C41)
C41L "220nF" CAPC2012X135N 10.233,3.655 r270 bottom (schematic designator C41)
C42A "47uF" CAPAE530X610N 54.792,344.495 r0 top (schematic designator C42)
C42B "47uF" CAPAE530X610N 54.792,314.495 r0 top (schematic designator C42)
C42C "47uF" CAPAE530X610N 54.792,284.495 r0 top (schematic designator C42)
C42D "47uF" CAPAE530X610N 54.792,254.495 r0 top (schematic designator C42)
C42E "47uF" CAPAE530X610N 54.792,224.495 r0 top (schematic designator C42)
C42F "47uF" CAPAE530X610N 54.792,194.495 r0 top (schematic designator C42)
C42G "47uF" CAPAE530X610N 54.792,164.495 r0 top (schematic designator C42)
C42H "47uF" CAPAE530X610N 54.792,134.495 r0 top (schematic designator C42)
C42I "47uF" CAPAE530X610N 54.792,104.495 r0 top (schematic designator C42)
C42J "47uF" CAPAE530X610N 54.792,74.495 r0 top (schematic designator C42)
C42K "47uF" CAPAE530X610N 54.792,44.495 r0 top (schematic designator C42)
C42L "47uF" CAPAE530X610N 54.792,14.495 r0 top (schematic designator C42)
C43A "220nF" CAPC2012X135N 16.297,352.39 r180 top (schematic designator C43)
C43B "220nF" CAPC2012X135N 16.297,322.39 r180 top (schematic designator C43)
C43C "220nF" CAPC2012X135N 16.297,292.39 r180 top (schematic designator C43)
C43D "220nF" CAPC2012X135N 16.297,262.39 r180 top (schematic designator C43)
C43E "220nF" CAPC2012X135N 16.297,232.39 r180 top (schematic designator C43)
C43F "220nF" CAPC2012X135N 16.297,202.39 r180 top (schematic designator C43)
C43G "220nF" CAPC2012X135N 16.297,172.39 r180 top (schematic designator C43)
C43H "220nF" CAPC2012X135N 16.297,142.39 r180 top (schematic designator C43)
C43I "220nF" CAPC2012X135N 16.297,112.39 r180 top (schematic designator C43)
C43J "220nF" CAPC2012X135N 16.297,82.39 r180 top (schematic designator C43)
C43K "220nF" CAPC2012X135N 16.297,52.39 r180 top (schematic designator C43)
C43L "220nF" CAPC2012X135N 16.297,22.39 r180 top (schematic designator C43)
C44 "47uF" CAPAE530X610N 87.249,345.948 r0 top
C45 "47uF" CAPAE530X610N 86.487,26.167 r270 top
C46 "47uF" CAPAE530X610N 87.122,352.933 r180 top
C47A "4.7uF" CAPC3216X180N 74.662,355.04 r270 top (schematic designator C47)
C47B "4.7uF" CAPC3216X180N 74.662,325.04 r270 top (schematic designator C47)
C47C "4.7uF" CAPC3216X180N 74.662,295.04 r270 top (schematic designator C47)
C47D "4.7uF" CAPC3216X180N 74.662,265.04 r270 top (schematic designator C47)
C47E "4.7uF" CAPC3216X180N 74.662,235.04 r270 top (schematic designator C47)
C47F "4.7uF" CAPC3216X180N 74.662,205.04 r270 top (schematic designator C47)
C47G "4.7uF" CAPC3216X180N 74.662,175.04 r270 top (schematic designator C47)
C47H "4.7uF" CAPC3216X180N 74.662,145.04 r270 top (schematic designator C47)
C47I "4.7uF" CAPC3216X180N 74.662,115.04 r270 top (schematic designator C47)